# KiCad board RS64c.kicad_pcb (continued)
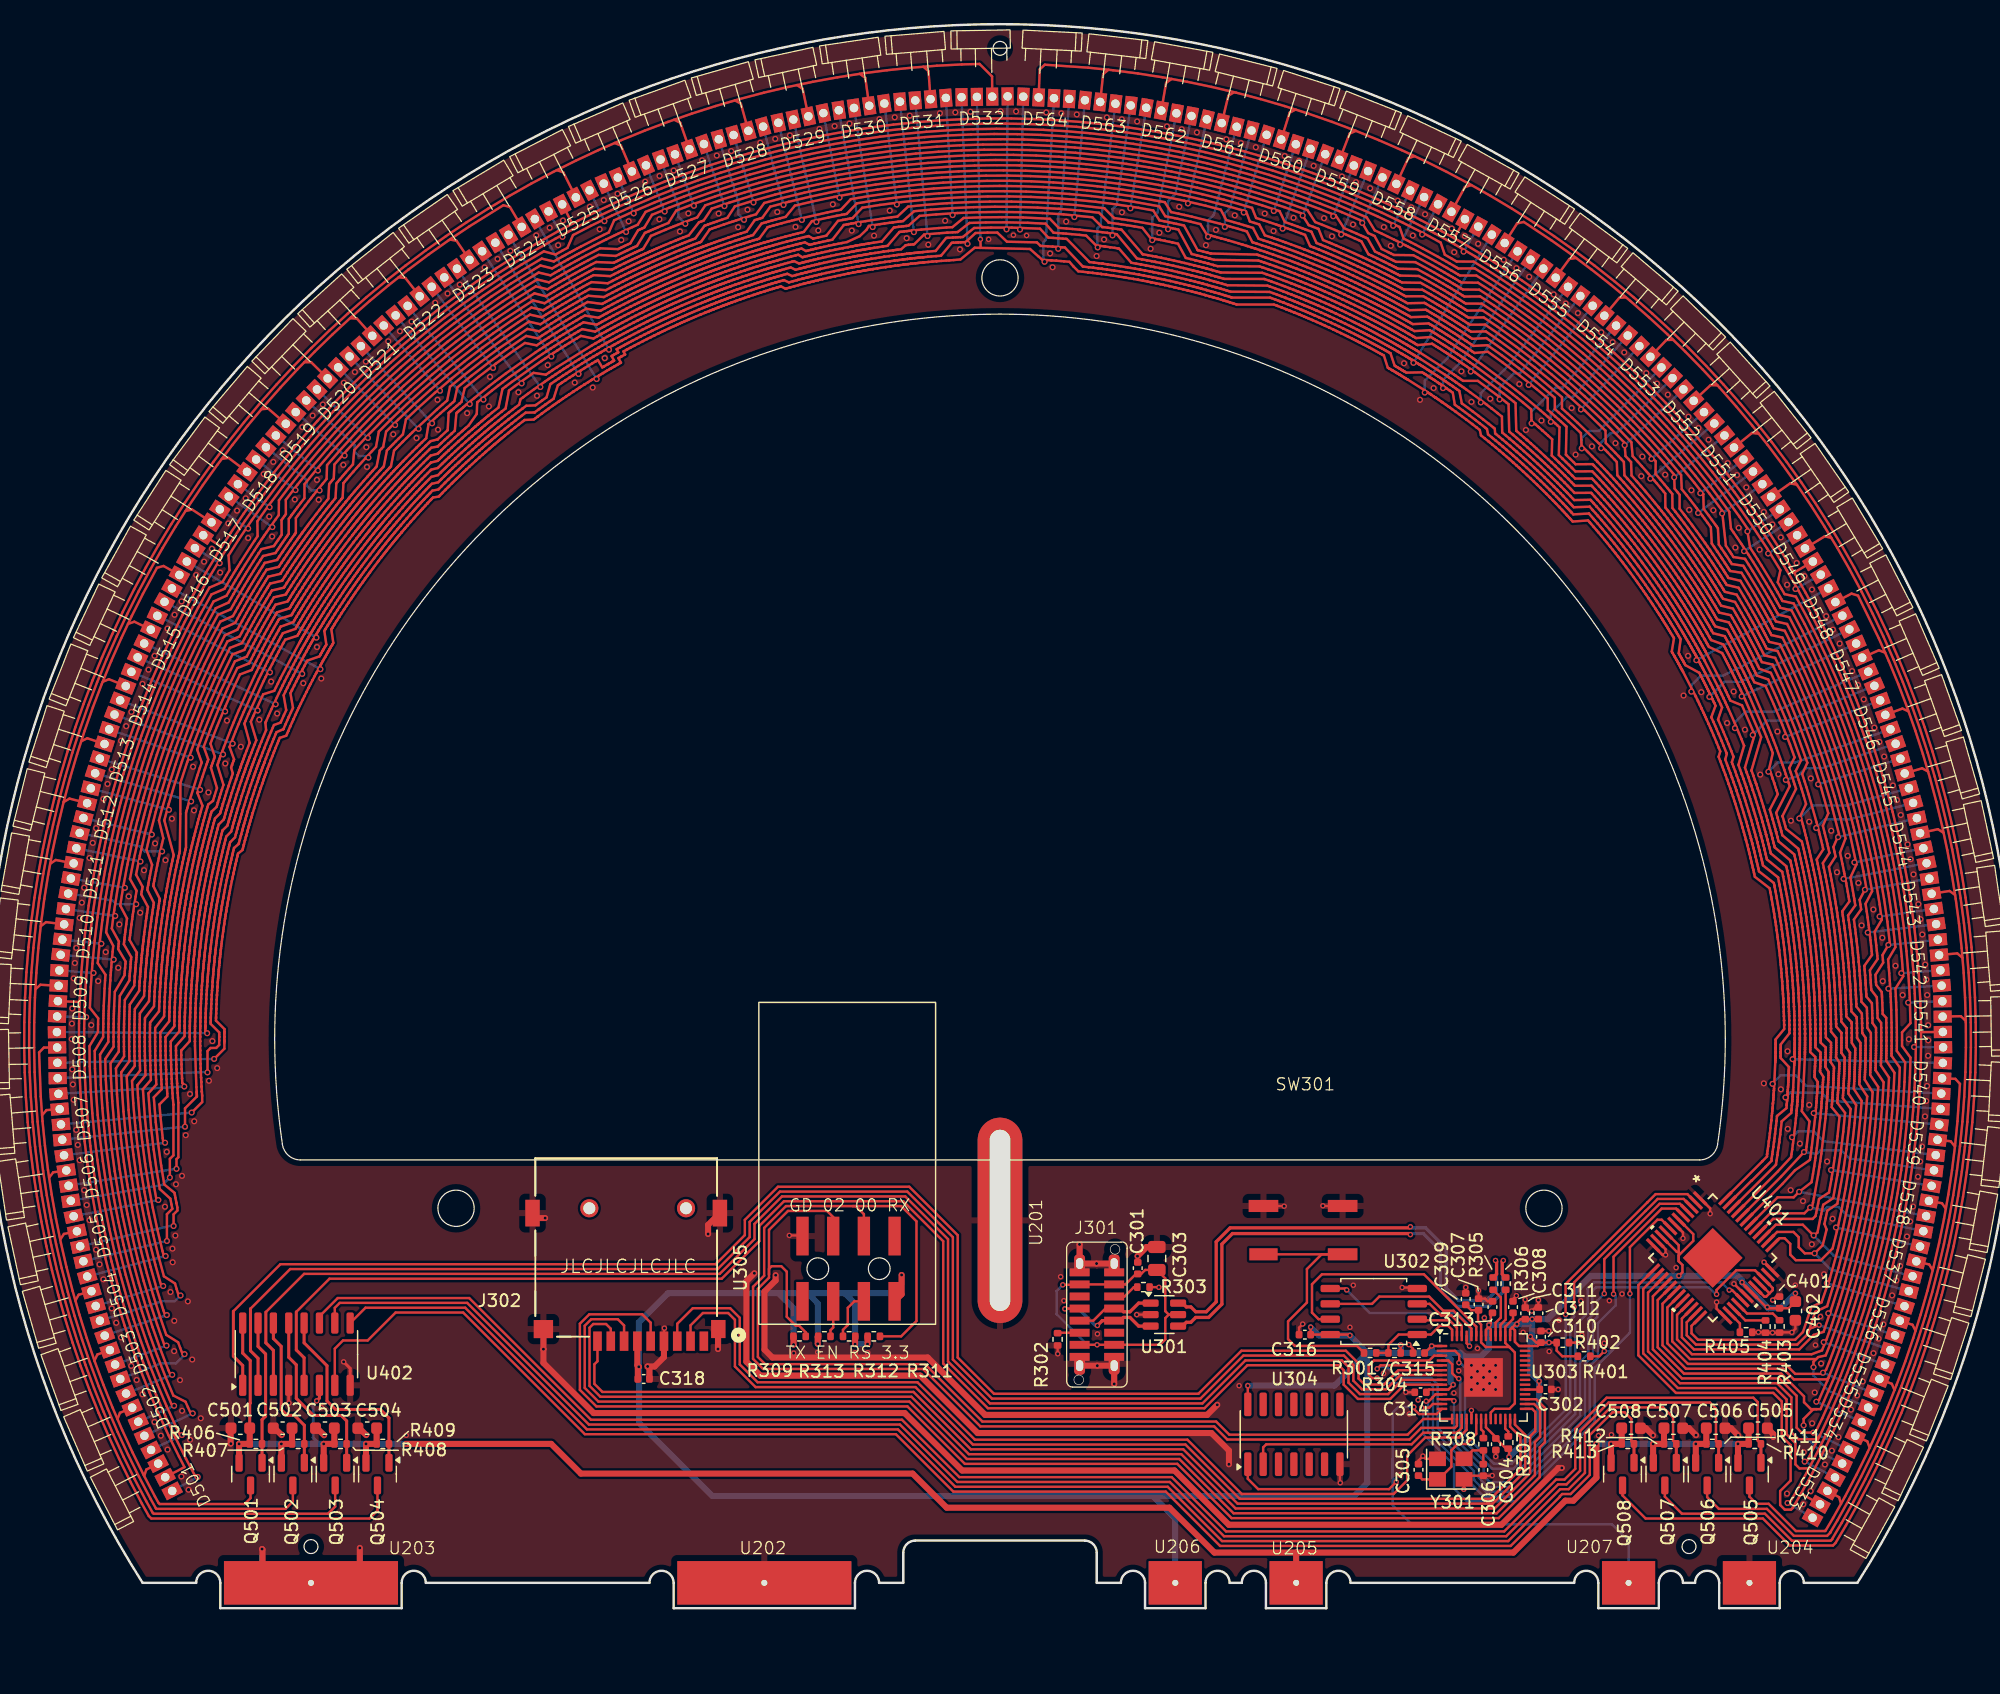
[diagram p0: board, top side]
## Routing (per net, layer and track width the routed paths; a pad name or vN(x,y) marks a point on that pad's centre or on a via; arc(x,y) is an arc through that point) (continued)
LED_G00: length 363
  Top w0.2: 150.92,11.57 151.77,13.22 152.62,14.97 153.42,16.74 154.18,18.53 154.89,20.34 155.55,22.17 156.17,24.01 156.74,25.87 157.26,27.75 157.73,29.63 158.15,31.53 158.53,33.44 158.85,35.36 159.13,37.28 159.36,39.21 159.54,41.15 159.66,43.09 159.74,45.04 159.77,46.98 159.75,48.93 159.68,50.87 159.55,52.81 159.38,54.75 159.16,56.68 158.89,58.61 158.57,60.52 158.2,62.43 157.78,64.33 157.32,66.22 156.8,68.1 156.24,69.96 155.63,71.81 154.97,73.64 154.27,75.45 153.52,77.24 152.72,79.02 151.88,80.77 150.99,82.5 150.06,84.21 149.09,85.89 148.07,87.55 147.01,89.18 145.91,90.79 144.77,92.36 143.58,93.9 142.36,95.42 141.1,96.9 139.81,98.35 138.47,99.77 137.1,101.15 135.7,102.49 134.26,103.8 132.79,105.07 131.28,106.31 129.75,107.5 128.18,108.65 126.59,109.77 124.97,110.84 123.32,111.87 121.64,112.86 119.94,113.8 118.22,114.7 116.47,115.56 114.7,116.37 112.91,117.14 111.11,117.85 109.28,118.53 107.44,119.15 105.58,119.73 103.71,120.26 101.83,120.74 99.93,121.18 98.03,121.56 96.11,121.9 94.19,122.18 92.26,122.42 90.32,122.61 88.38,122.74 86.44,122.83 84.49,122.87 82.55,122.86 80.6,122.79 78.66,122.68 76.72,122.52 74.79,122.31 72.86,122.05 70.94,121.74 69.03,121.38 67.13,120.97 65.24,120.51 63.36,120 61.5,119.45 59.65,118.85 57.81,118.2 56,117.51 54.2,116.76 52.42,115.98 50.66,115.14 48.93,114.26 47.22,113.34 45.53,112.38 43.86,111.37 42.23,110.32 40.62,109.22 39.04,108.09 37.49,106.91 35.97,105.7 34.48,104.45 33.02,103.16 31.6,101.83 30.21,100.47 28.86,99.07 27.55,97.64 26.27,96.17 25.03,94.68 23.83,93.15 22.66,91.59 21.54,90 20.46,88.38 19.42,86.74 18.43,85.06 17.47,83.37 16.57,81.65 15.7,79.91 14.88,78.14 14.11,76.36 13.38,74.56 12.7,72.73 12.06,70.9 11.48,69.04 10.94,67.17 10.45,65.29 10,63.4 9.61,61.49 9.26,59.58 8.97,57.66 8.72,55.73 8.53,53.79 8.38,51.85 8.28,49.91 8.23,47.96 8.24,46.02 8.29,44.08 8.39,42.13 8.54,40.19 8.75,38.26 9,36.33 9.3,34.41 9.65,32.5 10.05,30.59 10.5,28.7 10.99,26.82 11.54,24.95 12.13,23.1 12.77,21.26 13.46,19.44 14.19,17.64 14.97,15.86 15.79,14.1 16.66,12.36 17.42,10.94 17.5,10.86 v2(17.63,10.86) ; 150.92,11.57 150.88,11.49 149.94,9.78 149.37,8.79 149.28,8.71 v2(149.15,8.71) ; 150.92,11.57 150.14,11.57 149.8,11.9 149.8,13.66 149.07,14.4 149.07,17.28 148.13,18.22 140.08,18.22 137.21,21.09 137.21,26.43 U401.14
  Bottom w0.2: D533.4 v2(149.15,8.71) ; D509.4 v2(8.4,48.92) ; D549.4 v2(149.81,84.35) ; D501.4 v2(17.63,10.86) ; D525.4 v2(47.8,113.49) ; D517.4 v2(19.45,86.49) ; D557.4 v2(122.35,112.27) ; D541.4 v2(159.62,46.44)
LED_G01: length 359.2
  Top w0.2: U401.17 138.41,25.51 138.41,21.59 140.58,19.42 148.63,19.42 150.51,17.53 150.51,17.05 151.09,16.47 151.56,16.47 ; 151.56,16.47 151.29,16.47 150.48,15.67 v2(150.48,15.14) ; 151.56,16.47 151.88,16.47 152.98,19.02 153.68,20.8 154.33,22.6 154.94,24.41 155.5,26.24 156.01,28.08 156.47,29.94 156.89,31.8 157.26,33.68 157.58,35.56 157.85,37.46 158.08,39.35 158.25,41.26 158.38,43.17 158.44,44.74 157.75,45.72 157.75,45.91 157.76,46.13 157.76,46.31 157.76,46.54 157.76,46.94 157.76,47.02 157.76,47.25 157.76,47.65 157.76,48.05 157.75,48.46 157.73,49.5 157.7,50.14 157.68,50.62 157.67,50.86 157.65,51.26 157.62,51.66 157.61,51.92 157.56,52.56 157.52,53.05 157.47,53.69 158.07,54.71 157.78,57.29 157.49,59.18 157.16,61.06 156.78,62.94 156.35,64.8 155.87,66.65 155.34,68.49 154.77,70.31 154.15,72.12 153.49,73.91 152.77,75.69 152.02,77.44 151.22,79.18 150.37,80.89 149.48,82.59 148.55,82.8 148.46,82.96 148.35,83.15 148.27,83.31 148.15,83.51 147.95,83.86 147.92,83.92 147.8,84.13 147.6,84.47 147.39,84.82 146.64,86.06 146.3,86.59 146.04,87 145.91,87.2 145.69,87.54 145.47,87.88 145.32,88.09 144.97,88.62 144.69,89.02 144.47,89.34 144.33,90.75 142.79,92.83 141.6,94.32 140.37,95.78 139.1,97.21 137.79,98.61 136.45,99.98 135.08,101.31 133.67,102.6 132.23,103.86 130.76,105.07 129.25,106.26 127.72,107.4 126.16,108.5 124.57,109.56 123.41,110.29 122.04,110.3 121.88,110.39 121.69,110.51 121.54,110.6 121.34,110.71 120.99,110.92 120.93,110.96 120.72,111.07 120.38,111.27 120.03,111.47 118.75,112.16 118.19,112.46 117.76,112.68 117.55,112.79 117.19,112.97 116.83,113.16 116.6,113.27 116.02,113.55 115.58,113.76 115,114.03 114.34,115.1 112.04,116.1 110.26,116.8 108.46,117.45 106.65,118.05 104.82,118.61 102.98,119.12 101.13,119.58 99.26,120 97.38,120.37 95.5,120.69 93.61,120.96 91.71,121.18 89.8,121.35 87.89,121.48 85.98,121.55 84.07,121.58 82.16,121.56 80.25,121.49 78.34,121.36 76.44,121.2 74.54,120.98 72.65,120.71 70.76,120.39 68.88,120.03 67.02,119.62 65.16,119.16 63.32,118.65 61.49,118.1 59.67,117.5 57.87,116.85 56.09,116.15 54.68,115.56 54.03,114.5 53.59,114.3 53,114.03 52.77,113.93 52.4,113.75 52.19,113.66 52.03,113.58 51.83,113.48 51.46,113.3 51.39,113.27 51.18,113.16 50.82,112.98 50.46,112.8 49.54,112.32 49.18,112.13 48.98,112.02 48.83,111.94 48.63,111.83 48.27,111.63 48.2,111.6 48,111.48 47.65,111.29 47.3,111.09 46.95,110.89 45.98,111.13 43.55,109.64 41.95,108.58 40.39,107.48 38.86,106.34 37.35,105.16 35.87,103.94 34.43,102.69 33.02,101.4 31.64,100.07 30.3,98.71 28.99,97.32 27.72,95.89 26.49,94.43 25.29,92.94 24.35,91.69 24.33,90.47 24.05,90.08 23.68,89.55 23.53,89.34 23.3,89.01 23.17,88.82 23.07,88.68 22.94,88.49 22.71,88.15 22.67,88.09 22.54,87.89 22.32,87.55 22.09,87.21 21.54,86.34 21.32,86 21.2,85.8 21.11,85.65 20.99,85.46 20.78,85.11 20.74,85.05 20.62,84.84 20.42,84.5 20.22,84.15 20.01,83.8 18.94,83.32 17.69,81.02 16.84,79.3 16.04,77.57 15.28,75.82 14.56,74.04 13.89,72.25 13.27,70.44 12.7,68.62 12.17,66.78 11.69,64.93 11.25,63.07 10.87,61.2 10.53,59.32 10.24,57.43 10.05,55.95 10.64,54.82 10.59,54.33 10.53,53.69 10.51,53.43 10.47,53.03 10.46,52.8 10.44,52.63 10.42,52.4 10.4,51.99 10.39,51.91 10.35,51.27 10.29,49.83 10.27,49.43 10.26,49.2 10.26,49.03 10.25,48.8 10.25,48.39 10.24,48.32 10.24,48.08 10.24,47.68 10.23,47.28 10.23,46.88 9.55,45.82 9.62,43.3 9.74,41.4 9.91,39.49 10.13,37.59 10.4,35.7 10.71,33.81 11.08,31.94 11.49,30.07 11.95,28.22 12.46,26.37 13.02,24.54 13.62,22.73 14.27,20.93 14.96,19.15 15.61,17.6 16.62,17.09 16.82,16.64 17.08,16.06
  Bottom w0.2: D510.4 v2(10.68,53.68) ; D558.4 v2(117.1,112.85) ; D534.4 152.05,12.79 150.48,14.36 v2(150.48,15.14) ; D502.4 v2(17.22,16.13) ; D550.4 v2(145.55,87.48) ; D518.4 v2(23.8,89.47) ; D526.4 v2(53.07,113.9) ; D542.4 v2(157.5,51.28)
LED_G02: length 353.3
  Top w0.2: 16.41,20.95 16.18,21.55 16.01,22.01 15.03,22.62 14.5,24.14 13.94,25.93 13.42,27.74 12.94,29.55 12.52,31.38 12.14,33.22 11.8,35.07 11.52,36.93 11.28,38.79 11.09,40.66 10.95,42.54 10.86,44.68 11.54,45.68 11.53,46.08 11.53,46.48 11.52,46.88 11.52,47.28 11.53,47.67 11.53,48.07 11.53,48.3 11.54,48.37 11.54,48.77 11.55,48.99 11.55,49.17 11.56,49.39 11.57,49.79 11.6,50.33 12.38,51.52 12.39,51.78 12.4,51.93 12.42,52.25 12.43,52.33 12.44,52.48 12.45,52.65 12.46,52.73 12.47,52.87 12.49,53.04 12.5,53.26 12.52,53.44 12.53,53.51 12.54,53.67 12.56,53.85 12.58,54.07 12.6,54.25 11.99,55.3 12.01,55.48 12.04,55.7 12.06,55.91 12.09,56.1 12.14,56.54 12.15,56.62 12.21,57.02 12.24,57.25 12.26,57.43 12.3,57.65 12.36,58.05 12.39,58.26 12.49,58.9 12.57,59.38 12.02,60.36 12.34,61.98 12.74,63.81 13.2,65.64 13.69,67.45 14.24,69.25 14.83,71.03 15.47,72.8 16.15,74.55 16.88,76.28 17.65,77.99 18.46,79.69 19.49,81.65 20.54,82.11 20.74,82.46 20.94,82.82 21.13,83.16 21.33,83.51 21.53,83.85 21.73,84.18 21.85,84.38 21.89,84.45 22.09,84.79 22.21,84.98 22.3,85.13 22.42,85.32 22.52,85.48 22.63,85.65 22.74,85.83 22.96,86.17 23.18,86.51 24.19,86.76 24.21,86.78 24.34,86.97 24.42,87.09 24.6,87.36 24.64,87.43 24.72,87.55 24.82,87.69 24.87,87.76 24.95,87.87 25.04,88.01 25.17,88.2 25.28,88.34 25.32,88.4 25.41,88.53 25.51,88.68 25.64,88.86 25.75,89.01 25.75,90.22 25.86,90.37 25.99,90.54 26.11,90.71 26.23,90.86 26.5,91.22 26.55,91.28 26.8,91.6 26.94,91.78 27.05,91.92 27.19,92.1 27.44,92.42 27.57,92.58 27.98,93.08 28.29,93.46 28.33,94.61 29.39,95.83 30.66,97.21 31.96,98.57 33.3,99.88 34.67,101.17 36.07,102.42 37.51,103.63 38.98,104.8 40.47,105.94 42,107.04 43.55,108.1 45.6,109.4 46.56,109.16 46.91,109.36 47.26,109.57 47.6,109.77 47.94,109.97 48.29,110.16 48.63,110.36 48.83,110.47 48.9,110.51 49.24,110.7 49.44,110.81 49.59,110.89 49.79,110.99 50.14,111.18 50.59,111.41 52.05,111.35 52.08,111.37 52.28,111.47 52.41,111.53 52.7,111.68 52.77,111.71 52.9,111.77 53.06,111.85 53.13,111.88 53.26,111.94 53.41,112.01 53.62,112.11 53.78,112.19 53.84,112.22 53.99,112.28 54.15,112.36 54.35,112.45 54.48,112.51 55.13,113.57 55.29,113.65 55.5,113.73 55.69,113.82 55.87,113.89 56.28,114.06 56.35,114.09 56.72,114.25 56.94,114.33 57.1,114.4 57.31,114.48 57.69,114.63 57.89,114.71 58.49,114.94 58.95,115.11 59.62,116.11 61.08,116.61 62.87,117.18 64.68,117.69 66.5,118.17 68.33,118.59 70.17,118.97 72.02,119.3 73.88,119.59 75.74,119.82 77.61,120.01 79.48,120.15 81.36,120.24 83.24,120.29 85.12,120.28 86.99,120.23 88.87,120.13 90.74,119.98 92.61,119.78 94.47,119.54 96.33,119.24 98.18,118.9 100.02,118.52 101.84,118.08 103.66,117.6 105.46,117.07 107.25,116.5 109.43,115.71 110.07,114.72 110.67,114.49 111.12,114.31 111.71,114.07 111.92,113.98 112.29,113.83 112.66,113.67 112.88,113.57 113.32,113.38 113.73,113.2 113.9,113.12 114.47,112.07 114.52,112.05 114.73,111.95 114.84,111.9 115.15,111.74 115.2,111.72 115.56,111.55 115.71,111.47 115.84,111.41 115.94,111.36 116.2,111.23 116.29,111.18 116.4,111.13 116.56,111.05 116.64,111.01 116.76,110.94 116.85,110.9 116.92,110.86 118.51,110.83 119.4,110.34 119.74,110.15 120.08,109.95 120.28,109.84 120.35,109.8 120.69,109.6 120.88,109.49 121.03,109.4 121.22,109.28 121.38,109.19 121.56,109.08 121.72,108.98 121.9,108.87 122.07,108.77 122.24,108.66 122.41,108.56 123.72,108.57 124.88,107.81 126.43,106.74 127.95,105.63 129.43,104.48 130.89,103.3 132.32,102.07 133.71,100.82 135.08,99.52 136.4,98.19 137.7,96.83 138.96,95.44 140.34,93.79 140.4,92.62 140.8,92.11 141.1,91.73 141.49,91.23 141.63,91.05 141.87,90.73 142.11,90.41 142.25,90.22 142.54,89.83 142.8,89.46 142.88,88.12 142.91,88.08 143.04,87.89 143.11,87.79 143.31,87.49 143.34,87.45 143.56,87.12 143.66,86.98 143.74,86.86 143.8,86.77 143.96,86.52 144.01,86.44 144.08,86.33 144.18,86.19 144.23,86.11 144.3,86 144.35,85.92 144.4,85.84 145.34,85.7 145.54,85.38 146.28,84.16 146.48,83.82 146.68,83.48 146.8,83.28 146.84,83.21 147.03,82.87 147.14,82.67 147.23,82.52 147.34,82.33 147.42,82.17 147.53,81.98 147.62,81.82 147.72,81.63 147.81,81.46 147.91,81.28 148,81.1 148.92,80.89 149.77,79.22 150.57,77.52 151.33,75.8 152.04,74.06 152.71,72.31 153.34,70.54 153.91,68.75 154.45,66.95 154.93,65.13 155.37,63.3 155.77,61.47 156.14,59.34 155.6,58.3 155.7,57.67 155.77,57.18 155.86,56.55 155.88,56.33 155.93,55.93 ; 155.93,55.93 155.98,55.53 156.01,55.3 156.06,54.82 156.11,54.37 156.13,54.19 156.14,54.07 155.5,53.17 155.51,53.12 155.53,52.88 155.54,52.76 155.56,52.41 155.57,52.36 155.59,51.96 155.61,51.79 155.61,51.65 155.62,51.54 155.64,51.25 155.65,51.15 155.66,50.84 155.67,50.75 155.67,50.62 156.13,50.07 156.15,49.45 156.16,49.24 156.17,48.83 156.18,48.43 156.47,48.02 156.47,47.64 156.47,47.25 156.47,47.02 156.47,46.94 156.47,46.54 156.47,46.32 156.47,46.15 156.47,45.92 156.46,45.75 156.46,45.53 156.45,45.34 156.45,45.13 156.44,44.94 156.44,44.73 156.43,44.53 157.1,43.53 157.01,42.02 156.86,40.14 156.66,38.28 156.41,36.41 156.11,34.56 155.76,32.71 155.37,30.87 154.93,29.05 154.44,27.23 153.91,25.43 153.33,23.65 152.67,21.81 152.3,20.92 151.68,20.78 151.3,20.4 v2(151.3,19.95) ; 155.93,55.93 v2(155.78,55.92) ; U401.20 139.61,24.58 139.61,22.09 141.08,20.62 151.52,20.62
  Bottom w0.2: D551.4 v2(141.75,90.64) ; v2(57.97,114.58) 57.39,115.16 57.39,116.09 D527.4 ; v2(16.54,21.03) 16.54,20.97 15.83,20.26 14.56,20.26 D503.4 ; D543.4 v2(155.78,55.92) ; D511.4 10.56,58.58 10.87,58.27 v2(12.54,58.27) ; v2(27.71,92.51) 27.06,92.51 26.66,92.91 26.66,93.35 D519.4 ; v2(151.3,19.95) 151.3,19.24 152.54,18 D535.4 ; D559.4 v2(112.22,113.69)
LED_G03: length 347.3
  Top w0.2: 16.08,25.79 15.89,26.41 15.75,26.87 14.83,27.47 14.4,29.07 13.96,30.86 13.56,32.66 13.22,34.48 12.92,36.3 12.66,38.13 12.45,39.96 12.3,41.8 12.19,43.64 12.86,44.5 12.85,44.9 12.84,45.31 12.83,45.7 12.82,46.1 12.82,46.49 12.81,46.89 12.81,47.28 12.82,47.66 12.82,48.05 12.82,48.28 12.83,48.35 12.83,48.74 12.84,48.96 12.84,49.13 12.85,49.24 13.6,50.24 13.62,50.65 13.64,51.05 13.64,51.09 13.66,51.45 13.68,51.7 13.69,51.84 13.71,52.16 13.72,52.24 13.73,52.38 13.74,52.55 13.75,52.63 13.76,52.76 13.77,52.93 13.79,53.15 13.81,53.33 13.81,53.39 13.83,53.55 13.84,53.72 13.86,53.94 13.88,54.12 13.9,54.34 13.92,54.52 13.94,54.69 13.96,54.86 13.98,55.08 14,55.25 14.03,55.46 14.05,55.66 14.08,55.85 14.13,56.28 14.14,56.35 14.19,56.75 14.2,56.8 14.22,56.97 14.25,57.14 14.28,57.36 14.3,57.51 14.34,57.75 14.36,57.91 14.37,57.95 14.4,58.13 14.43,58.31 14.46,58.53 14.49,58.71 13.95,59.77 13.98,59.96 14.02,60.17 14.06,60.33 14.1,60.57 14.18,60.96 14.19,61.04 14.27,61.44 14.32,61.66 14.36,61.84 14.4,62.06 14.49,62.45 14.53,62.62 14.67,63.25 14.78,63.72 14.42,65.2 14.71,66.3 15.23,68.07 15.79,69.83 16.39,71.57 17.04,73.3 17.74,75.01 18.48,76.7 19.26,78.38 20.09,80.02 21.1,80.43 21.29,80.79 21.48,81.14 21.67,81.49 21.87,81.84 22.06,82.18 22.25,82.52 22.45,82.86 22.64,83.19 22.84,83.52 22.96,83.72 22.99,83.78 23.2,84.12 23.31,84.3 23.41,84.46 23.51,84.63 23.62,84.8 24.61,85.04 24.65,85.09 24.83,85.37 24.86,85.42 25.05,85.71 25.07,85.75 25.27,86.05 25.29,86.07 25.41,86.26 25.49,86.38 25.67,86.64 25.71,86.7 25.79,86.82 25.89,86.96 25.93,87.02 26.01,87.14 26.1,87.28 26.23,87.46 26.33,87.6 26.37,87.66 26.46,87.79 26.56,87.93 26.69,88.11 26.79,88.25 26.92,88.43 27.03,88.58 27.13,88.71 27.23,88.85 27.36,89.03 27.47,89.17 27.59,89.34 27.71,89.5 27.83,89.65 28.09,90 28.16,90.09 28.38,90.37 28.41,90.41 28.52,90.55 28.62,90.68 28.66,90.73 28.76,90.85 28.85,90.97 28.91,91.05 29,91.16 29.1,91.29 29.14,91.33 29.25,91.47 29.36,91.6 29.5,91.78 29.62,91.92 29.68,93.11 29.8,93.25 29.94,93.42 30.05,93.54 30.21,93.72 30.47,94.03 30.52,94.09 30.79,94.39 30.95,94.56 31.06,94.69 31.22,94.86 31.49,95.16 31.61,95.29 32.04,95.76 32.38,96.12 32.61,97.38 33.6,98.38 34.94,99.66 36.3,100.9 37.7,102.11 39.13,103.28 40.58,104.41 42.07,105.51 43.58,106.56 45.24,107.65 46.2,107.42 46.55,107.64 46.89,107.85 47.23,108.05 47.57,108.26 47.91,108.46 48.25,108.66 48.59,108.85 48.92,109.04 49.26,109.23 49.46,109.34 49.52,109.38 49.86,109.57 50.06,109.67 50.21,109.75 51.55,109.65 51.91,109.84 51.95,109.86 52.27,110.02 52.3,110.04 52.62,110.2 52.65,110.21 52.85,110.31 52.98,110.38 53.26,110.51 53.33,110.55 53.46,110.61 53.62,110.68 53.69,110.72 53.81,110.78 53.96,110.85 54.16,110.94 54.32,111.02 54.38,111.04 54.53,111.11 54.68,111.18 54.89,111.27 55.05,111.35 55.25,111.44 55.42,111.51 55.57,111.58 55.73,111.65 55.93,111.74 56.09,111.81 56.28,111.89 56.47,111.97 56.64,112.04 57.04,112.21 57.15,112.26 57.48,112.39 57.53,112.41 57.69,112.47 57.85,112.54 57.9,112.56 58.05,112.62 58.19,112.67 58.28,112.71 58.42,112.76 58.57,112.82 58.61,112.84 58.78,112.9 58.95,112.97 59.16,113.05 59.27,113.09 59.98,114.11 60.15,114.17 60.36,114.25 60.52,114.3 60.74,114.38 61.12,114.51 61.19,114.53 61.58,114.66 61.8,114.73 61.97,114.79 62.18,114.86 62.57,114.98 62.73,115.03 63.35,115.22 63.82,115.36 64.5,116.3 66.01,116.71 67.81,117.15 69.61,117.55 71.42,117.89 73.24,118.19 75.07,118.44 76.91,118.65 78.74,118.81 80.59,118.92 82.43,118.98 84.28,119 86.12,118.97 87.97,118.89 89.81,118.77 91.64,118.59 93.48,118.37 95.3,118.11 97.12,117.79 98.93,117.43 100.73,117.03 102.52,116.57 104.85,115.9 105.19,115.06 105.8,114.86 106.26,114.71 106.87,114.51 107.04,114.45 107.42,114.32 107.8,114.19 108.02,114.11 108.48,113.94 108.86,113.8 109.07,113.72 109.23,113.66 109.65,112.74 109.72,112.71 109.93,112.62 110.03,112.59 110.37,112.45 110.4,112.44 110.77,112.29 110.95,112.21 110.99,112.2 111.14,112.13 111.43,112.01 111.51,111.98 111.87,111.83 112.01,111.76 112.08,111.73 112.51,111.55 112.82,111.41 112.91,111.37 113.07,111.29 113.19,111.24 113.26,111.21 113.56,111.07 113.62,111.04 113.93,110.9 113.97,110.88 114.17,110.78 114.28,110.73 114.59,110.58 114.64,110.56 114.99,110.39 115.14,110.32 115.27,110.25 115.37,110.2 115.62,110.08 115.71,110.03 115.82,109.98 115.98,109.9 116.05,109.86 116.17,109.8 116.33,109.71 116.52,109.62 116.69,109.53 116.88,109.43 117.05,109.34 117.23,109.24 117.41,109.15 118.93,109.12 119.1,109.03 119.44,108.84 119.64,108.72 119.7,108.69 120.04,108.49 120.23,108.38 120.37,108.29 120.56,108.18 120.71,108.09 120.89,107.98 121.05,107.88 121.23,107.77 121.39,107.67 121.56,107.57 121.73,107.46 121.9,107.36 122.07,107.25 122.23,107.14 122.41,107.03 122.57,106.93 122.75,106.81 124.01,106.83 125.17,106.05 126.67,104.97 128.14,103.86 129.58,102.7 130.99,101.52 132.38,100.29 133.73,99.03 135.04,97.74 136.23,96.5 136.34,95.35 136.77,94.87 137.1,94.51 137.52,94.03 137.64,93.9 137.9,93.6 138.16,93.29 138.32,93.11 138.63,92.74 138.89,92.43 139.03,92.25 139.04,91.1 139.09,91.05 139.23,90.87 139.29,90.79 139.52,90.5 139.54,90.47 139.79,90.16 139.9,90.01 139.93,89.97 140.03,89.84 140.22,89.59 140.27,89.52 140.51,89.21 140.6,89.08 140.64,89.02 140.92,88.64 141.18,88.29 141.28,88.14 141.4,87.97 141.59,87.71 141.63,87.66 141.82,87.38 141.85,87.34 141.98,87.15 142.05,87.05 142.24,86.77 142.27,86.73 142.49,86.4 142.59,86.26 142.66,86.15 142.72,86.06 142.88,85.82 142.94,85.73 143,85.63 143.1,85.48 143.15,85.41 143.22,85.3 143.32,85.15 143.43,84.96 143.53,84.81 143.65,84.63 143.75,84.46 143.86,84.29 143.96,84.12 144.94,83.89 145.17,83.5 145.37,83.17 145.57,82.83 145.68,82.63 145.72,82.57 145.91,82.23 146.02,82.04 146.1,81.89 146.21,81.7 146.29,81.55 146.4,81.36 146.49,81.2 146.58,81.02 146.67,80.85 146.77,80.67 146.86,80.5 146.96,80.32 147.05,80.14 147.14,79.97 147.24,79.78 147.33,79.61 147.42,79.42 148.33,79.21 149.13,77.55 149.89,75.87 150.61,74.17 151.28,72.45 151.91,70.71 152.49,68.96 153.03,67.2 153.53,65.42 153.94,63.71 153.49,62.53 153.59,62.07 153.69,61.6 153.82,60.97 153.85,60.8 153.93,60.4 154.01,60 154.05,59.77 154.13,59.29 154.2,58.89 154.24,58.67 154.27,58.5 153.67,57.67 153.68,57.6 153.72,57.37 153.73,57.27 153.78,56.91 153.79,56.87 153.84,56.48 153.87,56.29 153.87,56.25 153.9,56.08 153.93,55.77 153.94,55.69 153.99,55.3 154.01,55.14 154.02,55.07 154.07,54.6 154.11,54.17 154.13,53.99 154.15,53.78 154.18,53.45 154.19,53.39 154.22,53.06 154.22,53.01 154.24,52.78 154.25,52.66 154.28,52.32 154.28,52.27 154.31,51.88 154.32,51.71 154.33,51.57 154.33,51.46 154.35,51.17 154.36,51.07 154.37,50.78 154.38,50.69 154.38,50.56 154.39,50.38 154.41,50 154.41,49.97 154.43,49.57 154.43,49.4 154.88,48.91 154.88,48.8 154.89,48.41 154.89,48 154.9,47.63 154.9,47.6 154.9,47.25 154.9,47.2 155.18,46.79 155.18,46.55 155.18,46.33 155.18,46.16 155.18,45.95 155.17,45.77 155.17,45.56 155.16,45.37 155.16,45.17 155.15,44.98 155.15,44.77 155.14,44.58 155.13,44.38 155.12,44.17 155.12,43.98 155.11,43.77 155.1,43.58 155.09,43.36 155.74,42.36 155.63,40.89 155.45,39.05 155.22,37.22 154.94,35.4 154.62,33.58 154.25,31.77 153.83,29.97 153.37,28.19 152.85,26.42 152.43,25 151.44,24.53 151.14,23.63 150.97,23.13 ; 150.97,23.13 v1(151.76,23.43) ; 150.97,23.13 150.83,22.7 149.95,21.82 141.57,21.82 140.81,22.58 140.81,23.66 U401.23
  Bottom w0.2: v2(16.21,25.88) 15.74,25.41 14.7,25.41 D504.4 ; D512.4 12.84,63.05 13.25,62.64 v2(14.68,62.64) ; D528.4 62.34,116.45 62.34,115.39 v2(62.82,114.91) ; D536.4 v1(151.76,23.43) ; D560.4 v2(107.38,114.18) ; D552.4 v2(137.8,93.49) ; D520.4 30.62,96.27 30.62,95.7 30.96,95.36 31.61,95.36 v2(31.75,95.22) ; D544.4 v2(153.79,60.36)
LED_G04: length 332.7
  Top w0.2: v2(15.08,30.39) 15.08,32.61 15.53,33.06 15.46,33.42 15.36,33.89 14.49,34.69 14.24,36.18 13.98,37.97 13.77,39.77 13.55,42.61 14.21,43.34 14.19,43.75 14.17,44.15 14.15,44.55 14.14,44.94 14.13,45.34 14.12,45.73 14.11,46.12 14.11,46.51 14.1,46.89 14.1,47.27 14.11,47.65 14.11,48.03 14.85,48.98 14.85,49.07 14.85,49.29 14.86,49.39 14.87,49.66 14.87,49.79 14.89,50.19 14.91,50.58 14.93,50.98 14.93,51.02 14.95,51.37 14.97,51.62 14.98,51.76 15,52.07 15,52.14 15.01,52.28 15.03,52.45 15.03,52.53 15.04,52.66 15.06,52.82 15.08,53.04 15.09,53.21 15.1,53.28 15.11,53.43 15.13,53.6 15.15,53.82 15.16,53.99 15.19,54.21 15.2,54.39 15.22,54.55 15.24,54.72 15.26,54.93 15.28,55.1 15.31,55.31 15.33,55.51 15.36,55.69 15.41,56.11 15.42,56.19 15.47,56.57 15.48,56.62 15.5,56.79 15.53,56.96 15.56,57.17 15.58,57.32 15.61,57.55 15.64,57.71 15.65,57.76 15.67,57.93 15.7,58.1 15.74,58.32 15.76,58.5 15.8,58.71 15.82,58.82 15.83,58.89 15.86,59.04 15.89,59.21 15.93,59.42 15.96,59.59 16,59.8 16.03,59.96 16.07,60.19 16.14,60.57 16.16,60.64 16.24,61.03 16.28,61.25 16.32,61.42 16.36,61.64 16.4,61.8 16.45,62.02 16.48,62.18 16.53,62.38 16.57,62.57 16.62,62.8 16.66,62.95 16.67,65.85 16.71,66.02 16.77,66.24 16.89,66.62 17.6,68.92 17.8,69.53 17.96,69.99 17.58,71.06 18.13,72.54 18.8,74.22 19.52,75.88 20.71,78.37 21.68,78.76 21.87,79.12 22.05,79.47 22.24,79.83 22.43,80.18 22.61,80.52 22.8,80.87 22.99,81.21 23.18,81.54 23.37,81.88 23.47,82.05 23.56,82.21 23.68,82.4 23.75,82.54 23.88,82.76 23.95,82.86 24.06,83.06 25.06,83.32 25.11,83.41 25.22,83.58 25.27,83.66 25.32,83.74 25.42,83.9 25.49,84.01 25.53,84.07 25.7,84.34 25.73,84.4 25.91,84.68 25.94,84.72 26.13,85.01 26.15,85.04 26.34,85.33 26.36,85.36 26.48,85.54 26.56,85.66 26.73,85.92 26.78,85.98 26.86,86.09 26.95,86.23 26.99,86.29 27.07,86.41 27.16,86.54 27.29,86.72 27.39,86.86 27.43,86.92 27.51,87.04 27.61,87.18 27.74,87.36 27.84,87.5 27.97,87.67 28.07,87.82 28.17,87.95 28.27,88.09 28.4,88.26 28.5,88.4 28.63,88.57 28.74,88.73 28.86,88.87 29.11,89.21 29.19,89.3 29.4,89.58 29.43,89.62 29.53,89.75 29.64,89.88 29.67,89.93 29.77,90.05 29.86,90.17 29.92,90.25 30.01,90.36 30.11,90.48 30.17,90.56 30.25,90.65 30.36,90.79 30.43,90.87 30.53,90.99 30.61,91.1 30.69,91.19 30.75,91.26 30.82,91.35 30.87,91.41 30.96,91.52 31.07,91.65 31.22,91.82 31.33,91.95 31.47,92.11 31.57,92.24 31.72,92.41 31.98,92.71 32.03,92.76 32.29,93.06 32.44,93.22 32.56,93.35 32.7,93.52 32.79,93.61 32.97,93.81 33.08,93.93 33.22,94.08 33.34,94.21 33.51,94.39 33.62,94.51 33.87,95.81 34.03,95.97 34.11,96.06 34.31,96.25 34.56,96.51 34.62,96.56 34.91,96.85 35.07,97.01 35.2,97.14 35.36,97.29 35.65,97.58 37.42,99.21 37.9,99.64 38.27,99.96 38.5,101.09 39.68,102.07 41.11,103.19 42.56,104.27 44.9,105.88 45.87,105.68 46.21,105.9 46.55,106.12 46.89,106.33 47.23,106.54 47.56,106.75 47.9,106.95 48.23,107.15 48.56,107.35 48.9,107.54 49.23,107.73 49.56,107.92 49.89,108.11 51.08,107.95 51.16,107.99 51.35,108.09 51.44,108.14 51.68,108.27 51.79,108.33 52.14,108.51 52.5,108.69 52.54,108.71 52.85,108.87 52.88,108.89 53.2,109.04 53.22,109.06 53.42,109.15 53.55,109.22 53.83,109.35 53.89,109.39 54.02,109.45 54.17,109.52 54.24,109.55 54.36,109.61 54.51,109.68 54.71,109.77 54.87,109.85 54.93,109.87 55.07,109.94 55.22,110.01 55.42,110.1 55.58,110.17 55.77,110.26 55.94,110.33 56.09,110.4 56.24,110.47 56.44,110.55 56.6,110.62 56.79,110.7 56.97,110.78 57.15,110.86 57.54,111.02 57.64,111.06 57.96,111.19 58.01,111.21 58.17,111.28 58.33,111.34 58.38,111.36 58.53,111.42 58.66,111.47 58.75,111.51 58.89,111.56 59.03,111.62 59.13,111.65 59.24,111.7 59.4,111.76 59.51,111.8 59.65,111.85 59.78,111.9 59.89,111.94 59.98,111.98 60.09,112.02 60.16,112.04 60.29,112.09 60.45,112.15 60.66,112.22 60.83,112.28 61.03,112.35 61.18,112.41 61.4,112.48 61.47,112.51 61.77,112.61 61.86,112.64 62.21,112.76 62.25,112.77 62.42,112.83 62.59,112.88 62.63,112.9 62.8,112.95 62.92,112.99 63.17,113.07 63.33,113.12 63.52,113.18 63.69,113.23 63.91,113.3 64,113.33 64.08,113.35 64.78,114.3 64.96,114.35 65.17,114.41 65.29,114.44 65.56,114.52 65.91,114.61 65.98,114.63 66.37,114.74 66.59,114.79 66.77,114.84 66.99,114.89 67.38,114.99 69.73,115.52 70.36,115.65 70.84,115.74 71.66,116.62 73.12,116.87 74.92,117.12 76.72,117.33 78.52,117.5 80.33,117.61 82.14,117.69 83.95,117.71 85.77,117.69 87.58,117.62 89.39,117.5 91.19,117.34 92.99,117.14 94.79,116.88 97.63,116.37 98.15,115.55 98.78,115.41 99.26,115.31 99.88,115.17 102.22,114.58 102.6,114.47 102.99,114.36 103.22,114.3 103.69,114.17 104.04,114.06 104.29,113.98 104.42,113.95 104.88,113.05 104.97,113.03 105.19,112.96 105.26,112.93 105.65,112.81 106.02,112.68 106.25,112.61 106.39,112.56 106.7,112.45 106.76,112.43 107.13,112.3 107.3,112.24 107.35,112.22 107.79,112.06 108.16,111.92 108.36,111.85 108.52,111.79 108.81,111.68 108.89,111.65 109.18,111.53 109.25,111.51 109.46,111.43 109.55,111.39 109.89,111.25 109.92,111.24 110.28,111.09 110.45,111.02 110.49,111.01 110.65,110.94 110.93,110.82 111,110.79 111.18,110.72 111.36,110.64 111.5,110.58 111.56,110.55 111.93,110.39 111.99,110.37 112.3,110.23 112.38,110.19 112.54,110.12 112.66,110.06 112.73,110.03 113.02,109.9 113.08,109.87 113.38,109.73 113.42,109.71 113.62,109.62 113.73,109.57 114.03,109.42 114.08,109.4 114.42,109.23 114.57,109.16 114.69,109.1 114.79,109.05 115.04,108.92 115.13,108.88 115.24,108.83 115.39,108.75 115.47,108.71 115.58,108.65 115.74,108.57 115.93,108.47 116.09,108.39 116.28,108.29 116.44,108.2 116.62,108.11 116.8,108.01 116.97,107.92 117.15,107.82 117.32,107.73 117.5,107.63 117.67,107.53 117.79,107.47 117.86,107.43 119.23,107.47 119.38,107.38 119.57,107.27 119.72,107.18 119.9,107.07 120.05,106.98 120.23,106.87 120.38,106.78 120.55,106.67 120.71,106.58 120.88,106.47 121.05,106.37 121.21,106.27 121.38,106.16 121.54,106.06 121.72,105.95 121.87,105.84 122.05,105.73 122.2,105.63 122.39,105.51 122.54,105.41 122.73,105.28 122.87,105.19 123.07,105.06 124.24,105.12 125.42,104.28 126.88,103.2 128.3,102.08 130.49,100.23 130.49,99.29 130.97,98.86 131.33,98.53 131.79,98.1 133.53,96.42 133.81,96.13 134.09,95.85 134.26,95.68 134.59,95.33 134.84,95.06 135.03,94.87 135.07,93.77 135.13,93.7 135.29,93.53 135.34,93.47 135.61,93.17 135.87,92.87 136.03,92.69 136.13,92.58 136.34,92.33 136.38,92.29 136.64,91.99 136.75,91.85 136.79,91.81 137.09,91.45 137.34,91.15 137.48,90.98 137.59,90.85 137.78,90.61 137.84,90.54 138.03,90.3 138.08,90.24 138.22,90.07 138.28,89.99 138.51,89.7 138.53,89.68 138.77,89.37 138.88,89.22 138.91,89.18 139.01,89.05 139.19,88.81 139.24,88.75 139.47,88.44 139.56,88.31 139.61,88.26 139.88,87.88 140.13,87.54 140.23,87.39 140.35,87.23 140.54,86.96 140.58,86.91 140.76,86.64 140.79,86.6 140.92,86.42 140.99,86.32 141.18,86.04 141.21,86 141.42,85.68 141.51,85.55 141.59,85.43 141.65,85.34 141.8,85.11 141.86,85.03 141.92,84.92 142.02,84.78 142.06,84.71 142.14,84.6 142.23,84.45 142.34,84.27 142.44,84.12 142.55,83.94 142.65,83.78 142.76,83.61 142.87,83.44 142.97,83.27 143.08,83.1 143.18,82.93 143.29,82.75 143.38,82.59 143.45,82.47 143.49,82.4 144.45,82.18 144.56,81.99 144.6,81.93 144.79,81.6 144.9,81.41 144.98,81.26 145.08,81.07 145.17,80.92 145.27,80.74 145.35,80.58 145.45,80.4 145.54,80.24 145.63,80.06 145.72,79.89 145.82,79.72 145.91,79.54 146,79.37 146.09,79.19 146.18,79.02 146.28,78.83 146.36,78.67 146.46,78.47 146.54,78.32 146.64,78.11 146.71,77.96 146.82,77.75 147.77,77.42 148.47,75.89 149.19,74.23 149.86,72.55 150.79,69.97 150.36,69.04 150.56,68.43 150.71,67.96 150.9,67.36 151.55,65.04 151.66,64.65 151.76,64.25 151.81,64.02 151.93,63.56 152.02,63.2 152.08,62.94 152.11,62.81 151.56,61.97 151.58,61.88 151.63,61.65 151.65,61.57 151.73,61.18 151.81,60.79 151.86,60.56 151.89,60.41 151.95,60.09 151.96,60.03 152.03,59.64 152.07,59.47 152.07,59.41 152.16,58.95 152.22,58.56 152.26,58.34 152.29,58.18 152.34,57.87 152.35,57.79 152.4,57.48 152.41,57.41 152.44,57.19 152.46,57.09 152.51,56.73 152.51,56.7 152.56,56.31 152.59,56.12 152.59,56.08 152.62,55.91 152.65,55.61 152.66,55.53 152.71,55.15 152.73,55 152.74,54.92 152.79,54.47 152.83,54.04 152.85,53.86 152.87,53.66 152.9,53.34 152.9,53.28 152.93,52.95 152.94,52.9 152.95,52.68 152.96,52.56 152.99,52.22 152.99,52.17 153.02,51.79 153.03,51.62 153.04,51.49 153.05,51.38 153.06,51.1 153.07,51 153.09,50.71 153.09,50.62 153.1,50.49 153.1,50.32 153.12,49.95 153.12,49.92 153.14,49.52 153.14,49.35 153.15,49.12 153.16,48.76 153.16,48.72 153.17,48.37 153.17,48.32 153.17,48.15 153.61,47.62 153.61,47.59 153.61,47.24 153.61,47.2 153.61,47.02 153.61,46.95 153.61,46.8 153.61,46.57 153.61,46.39 153.61,46.35 153.6,46.18 153.6,45.97 153.88,45.57 153.87,45.41 153.87,45.2 153.86,45.01 153.86,44.81 153.85,44.62 153.84,44.43 153.84,44.23 153.83,44.04 153.82,43.83 153.81,43.64 153.8,43.43 153.79,43.25 153.78,43.03 153.77,42.85 153.75,42.62 153.74,42.45 153.72,42.22 154.37,41.32 154.23,39.79 154.02,37.99 153.76,36.19 153.27,33.47 152.44,32.91 152.3,32.28 152.2,31.8 152.38,31.35 152.06,30.04 v2(151.39,29.37) 150.58,29.37 150.07,29.88 150.07,30.71 149.64,31.14 148.29,31.14 U401.38